# KiCad board TFLN_AI_NODE_X2.kicad_pcb (continued)
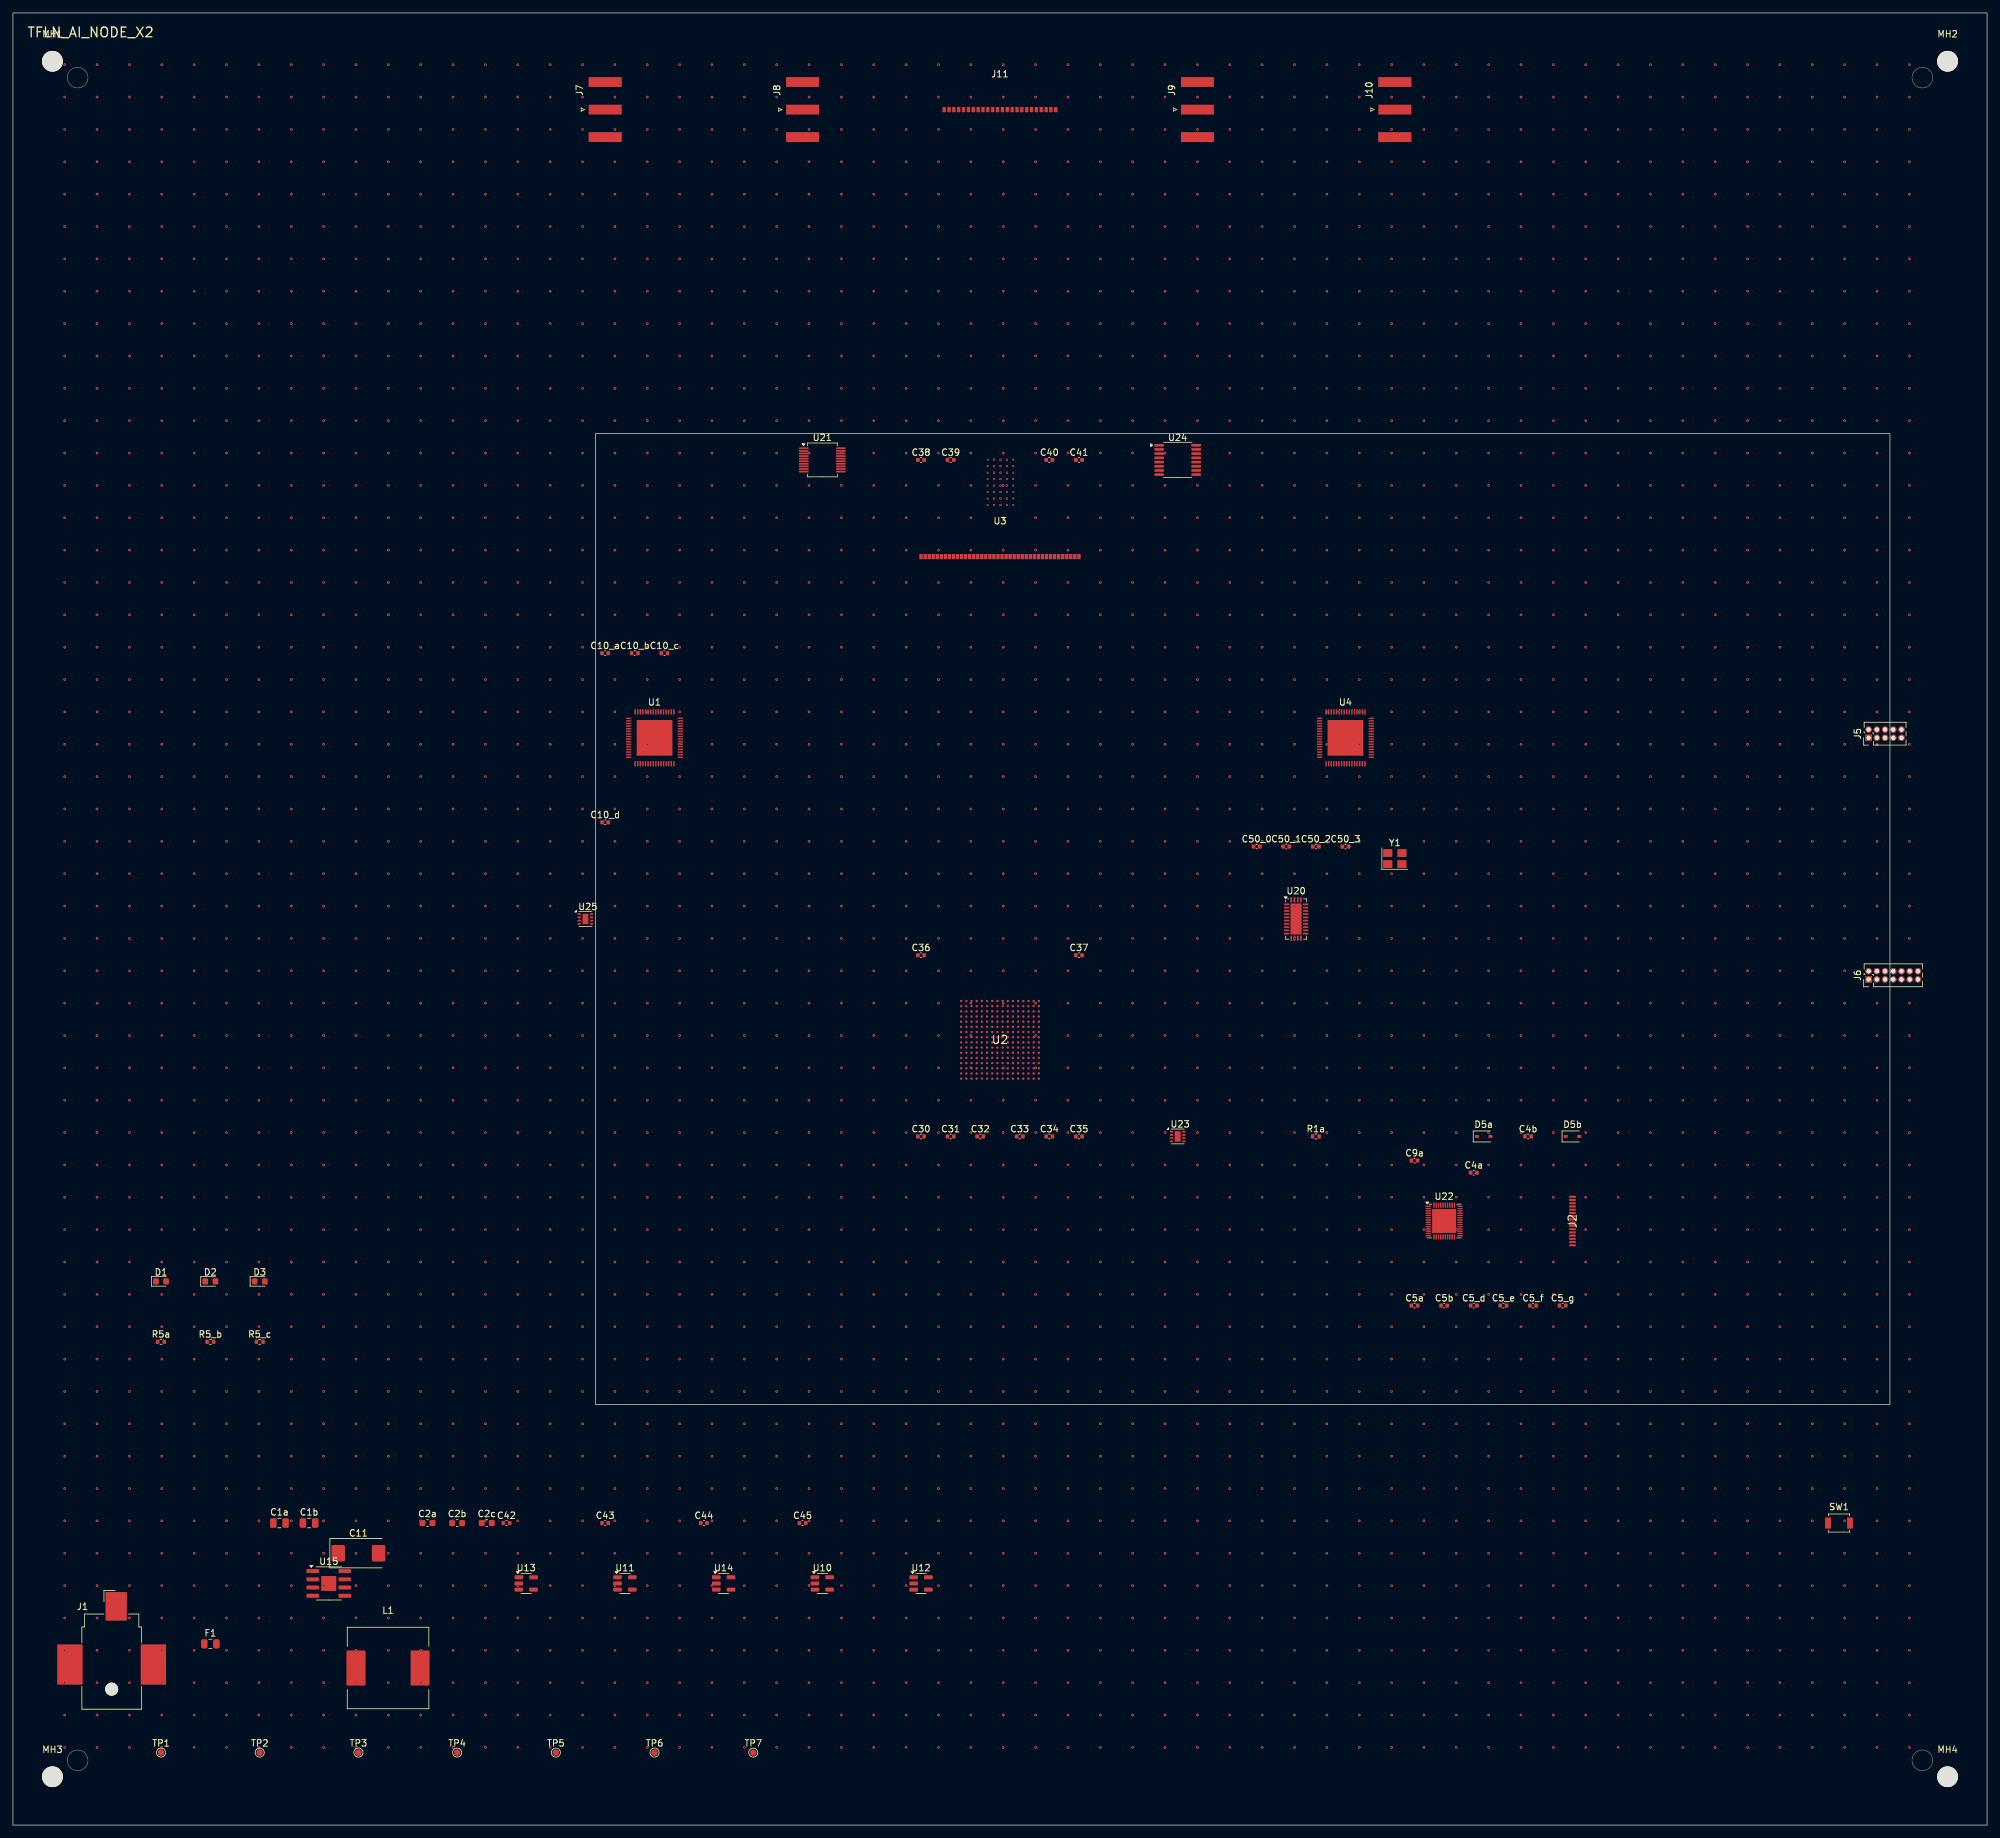
[diagram p0: board, top side]
## Routing (per net, layer and track width the routed paths; a pad name or vN(x,y) marks a point on that pad's centre or on a via; arc(x,y) is an arc through that point) (continued)
AXI_ACLK:
  vias: v1(153,127)
AXI_RDATA: length 296.2
  In5.Cu (L6 GND) w0.1: 101.12,167.2 150.5,167.2 ; 101.12,166.98 150.5,166.98 ; 101.12,166.8 150.5,166.8
  In5.Cu (L6 GND) w0.15: 101.12,167.07 150.5,167.07 ; 101.12,166.76 150.5,166.76 ; 101.12,167.16 150.5,167.16
  vias: v1(103,167) v1(108,167) v1(113,167) v1(118,167) v1(123,167) v1(128,167) v1(133,167) v1(138,167) v1(143,167) v1(148,167)
CLK_HBM_N: length 197.5
  In5.Cu (L6 GND) w0.1: 101.12,167.6 150.5,167.6 ; 101.12,167.38 150.5,167.38
  In5.Cu (L6 GND) w0.15: 101.12,167.56 150.5,167.56 ; 101.12,167.47 150.5,167.47
CLK_REF_N: length 49.4
  In5.Cu (L6 GND) w0.1: 101.12,166.58 150.5,166.58
CLK_SERDES: length 49.4
  In5.Cu (L6 GND) w0.1: 101.12,168 150.5,168
CLK_SERDES_N: length 98.8
  In5.Cu (L6 GND) w0.1: 101.12,167.78 150.5,167.78
  In5.Cu (L6 GND) w0.15: 101.12,167.87 150.5,167.87
FPGA_GPIO1:
  vias: v1(288,132)
HBM_DQ0: length 10
  In16.Cu (L17 Sig) w0.1: 147.5,121.33 157.5,121.33
HBM_DQ1: length 10
  In16.Cu (L17 Sig) w0.1: 147.5,120.98 157.5,120.98
HBM_DQ2: length 10
  In16.Cu (L17 Sig) w0.1: 147.5,120.63 157.5,120.63
HBM_DQ3: length 10
  In16.Cu (L17 Sig) w0.1: 147.5,120.28 157.5,120.28
HBM_DQ4: length 10
  In16.Cu (L17 Sig) w0.1: 147.5,119.93 157.5,119.93
HBM_DQ5: length 10
  In16.Cu (L17 Sig) w0.1: 147.5,119.58 157.5,119.58
HBM_DQ6: length 10
  In16.Cu (L17 Sig) w0.1: 147.5,119.23 157.5,119.23
HBM_DQ7: length 10
  In16.Cu (L17 Sig) w0.1: 147.5,118.88 157.5,118.88
PLL_LOL:
  vias: v1(198,137)
SW_5V:
  vias: v1(53,27) v1(53,22)
TFLN_TX_N0: length 8
  In6.Cu (L7 TFLN/HBM) w0.1: 151.2,203.97 151.2,211.97
TFLN_TX_N1: length 8
  In6.Cu (L7 TFLN/HBM) w0.1: 152.2,203.97 152.2,211.97
TFLN_TX_N3: length 8
  In6.Cu (L7 TFLN/HBM) w0.1: 154.2,203.97 154.2,211.97
TFLN_TX_P0: length 8
  In6.Cu (L7 TFLN/HBM) w0.1: 151,203.97 151,211.97
TFLN_TX_P1: length 8
  In6.Cu (L7 TFLN/HBM) w0.1: 152,203.97 152,211.97
TFLN_TX_P1_B:
  vias: v1(208,172)
TFLN_TX_P3: length 8
  In6.Cu (L7 TFLN/HBM) w0.1: 154,203.97 154,211.97

## Copper pours and planes (outline as drawn; the poured copper is in the pictures)
+0V9 on In10.Cu (L11 PWR 0V9): 93,212 287,212 287,68 93,68
+0V9 on In11.Cu (L12 GND center): 0.5,279.5 304.5,279.5 304.5,0.5 0.5,0.5
+1V8 on In12.Cu (L13 PWR 1V8): 93,212 287,212 287,68 93,68
+1V8 on In13.Cu (L14 PWR 3V3): 0.5,279.5 304.5,279.5 304.5,0.5 0.5,0.5
+3V3 on In13.Cu (L14 PWR 3V3): 93,212 287,212 287,68 93,68
+3V3 on In14.Cu (L15 GND): 0.5,279.5 304.5,279.5 304.5,0.5 0.5,0.5
GND on Top: 93,212 287,212 287,68 93,68
GND on Bottom: 93,212 287,212 287,68 93,68
GND on In2.Cu (L3 GND): 93,212 287,212 287,68 93,68
GND on In2.Cu (L3 GND): 0.5,279.5 304.5,279.5 304.5,0.5 0.5,0.5
GND on In5.Cu (L6 GND): 93,212 287,212 287,68 93,68
GND on In8.Cu (L9 GND): 93,212 287,212 287,68 93,68
GND on In9.Cu (L10 CLK): 0.5,279.5 304.5,279.5 304.5,0.5 0.5,0.5
GND on In11.Cu (L12 GND center): 93,212 287,212 287,68 93,68
GND on In12.Cu (L13 PWR 1V8): 0.5,279.5 304.5,279.5 304.5,0.5 0.5,0.5
GND on In14.Cu (L15 GND): 93,212 287,212 287,68 93,68
GND on In15.Cu (L16 Sig): 0.5,279.5 304.5,279.5 304.5,0.5 0.5,0.5
GND on In20.Cu (L21 GND): 93,212 287,212 287,68 93,68
GND on In20.Cu (L21 GND): 0.5,279.5 304.5,279.5 304.5,0.5 0.5,0.5

## Text on the board
B.Fab: BACK-DRILL ZONES: 3 (SEE USER.1 LAYER + SPEC FILE) | 22 LAYERS — SEE STACKUP DOC
F.Fab: FABRICATION NOTES: | 1. 22 layers, 3.2mm, ENIG finish | 2. L3,L7,L15,L19: 2oz copper — all others 1oz | 3. Impedance control required (see table): | 85Ω diff — TFLN RF (L7/L8) | 100Ω diff — PCIe Gen6 (L5/L6) | 100Ω diff — DDR5 DQS (L16/L17) | 50Ω SE — general signals (F.Cu/B.Cu) | 4. Back-drill: 3 zones (see User.1 + spec file) | Z1 PCIe: ~500 vias Bot→L5 | Z2 TFLN: ~32 vias Bot→L2 ±50µm | Z3 DDR5: ~1200 vias Both→L6/L16 | 5. IPC Class 3 workmanship | 6. UL94 V-0 material required | Generated: 2026-06-20 | 22L | 3.2mm | ENIG | IPC Class 3 | BD-Z1:PCIe/SerDes L5 Bot→ | BD-Z2:TFLN RF L2 Bot→ ±50µm | BD-Z3:DDR5 L6/L16 Both→ | LightRail AI — Rev 1.0 | TFLN_AI_NODE_X2
F.Silkscreen: TFLN_AI_NODE_X2
